# Altium PCB Xavier_NX_Carrier_Board_v1.1.PcbDoc (part 4 of 6)
Units mm, origin at the board's own origin, x right, y up, seen from the top; angles counter-clockwise.
Board outline 106.25 x 75.1 mm, 6 copper layers (TOP, L2_GND, L3_PWR, L4_SIG, L5_GND, BOTTOM), stack 0.881 mm thick; 282 components, 291 nets, 1670 pads, 857 vias.
Unrouted connection lines stored in the file: 3.
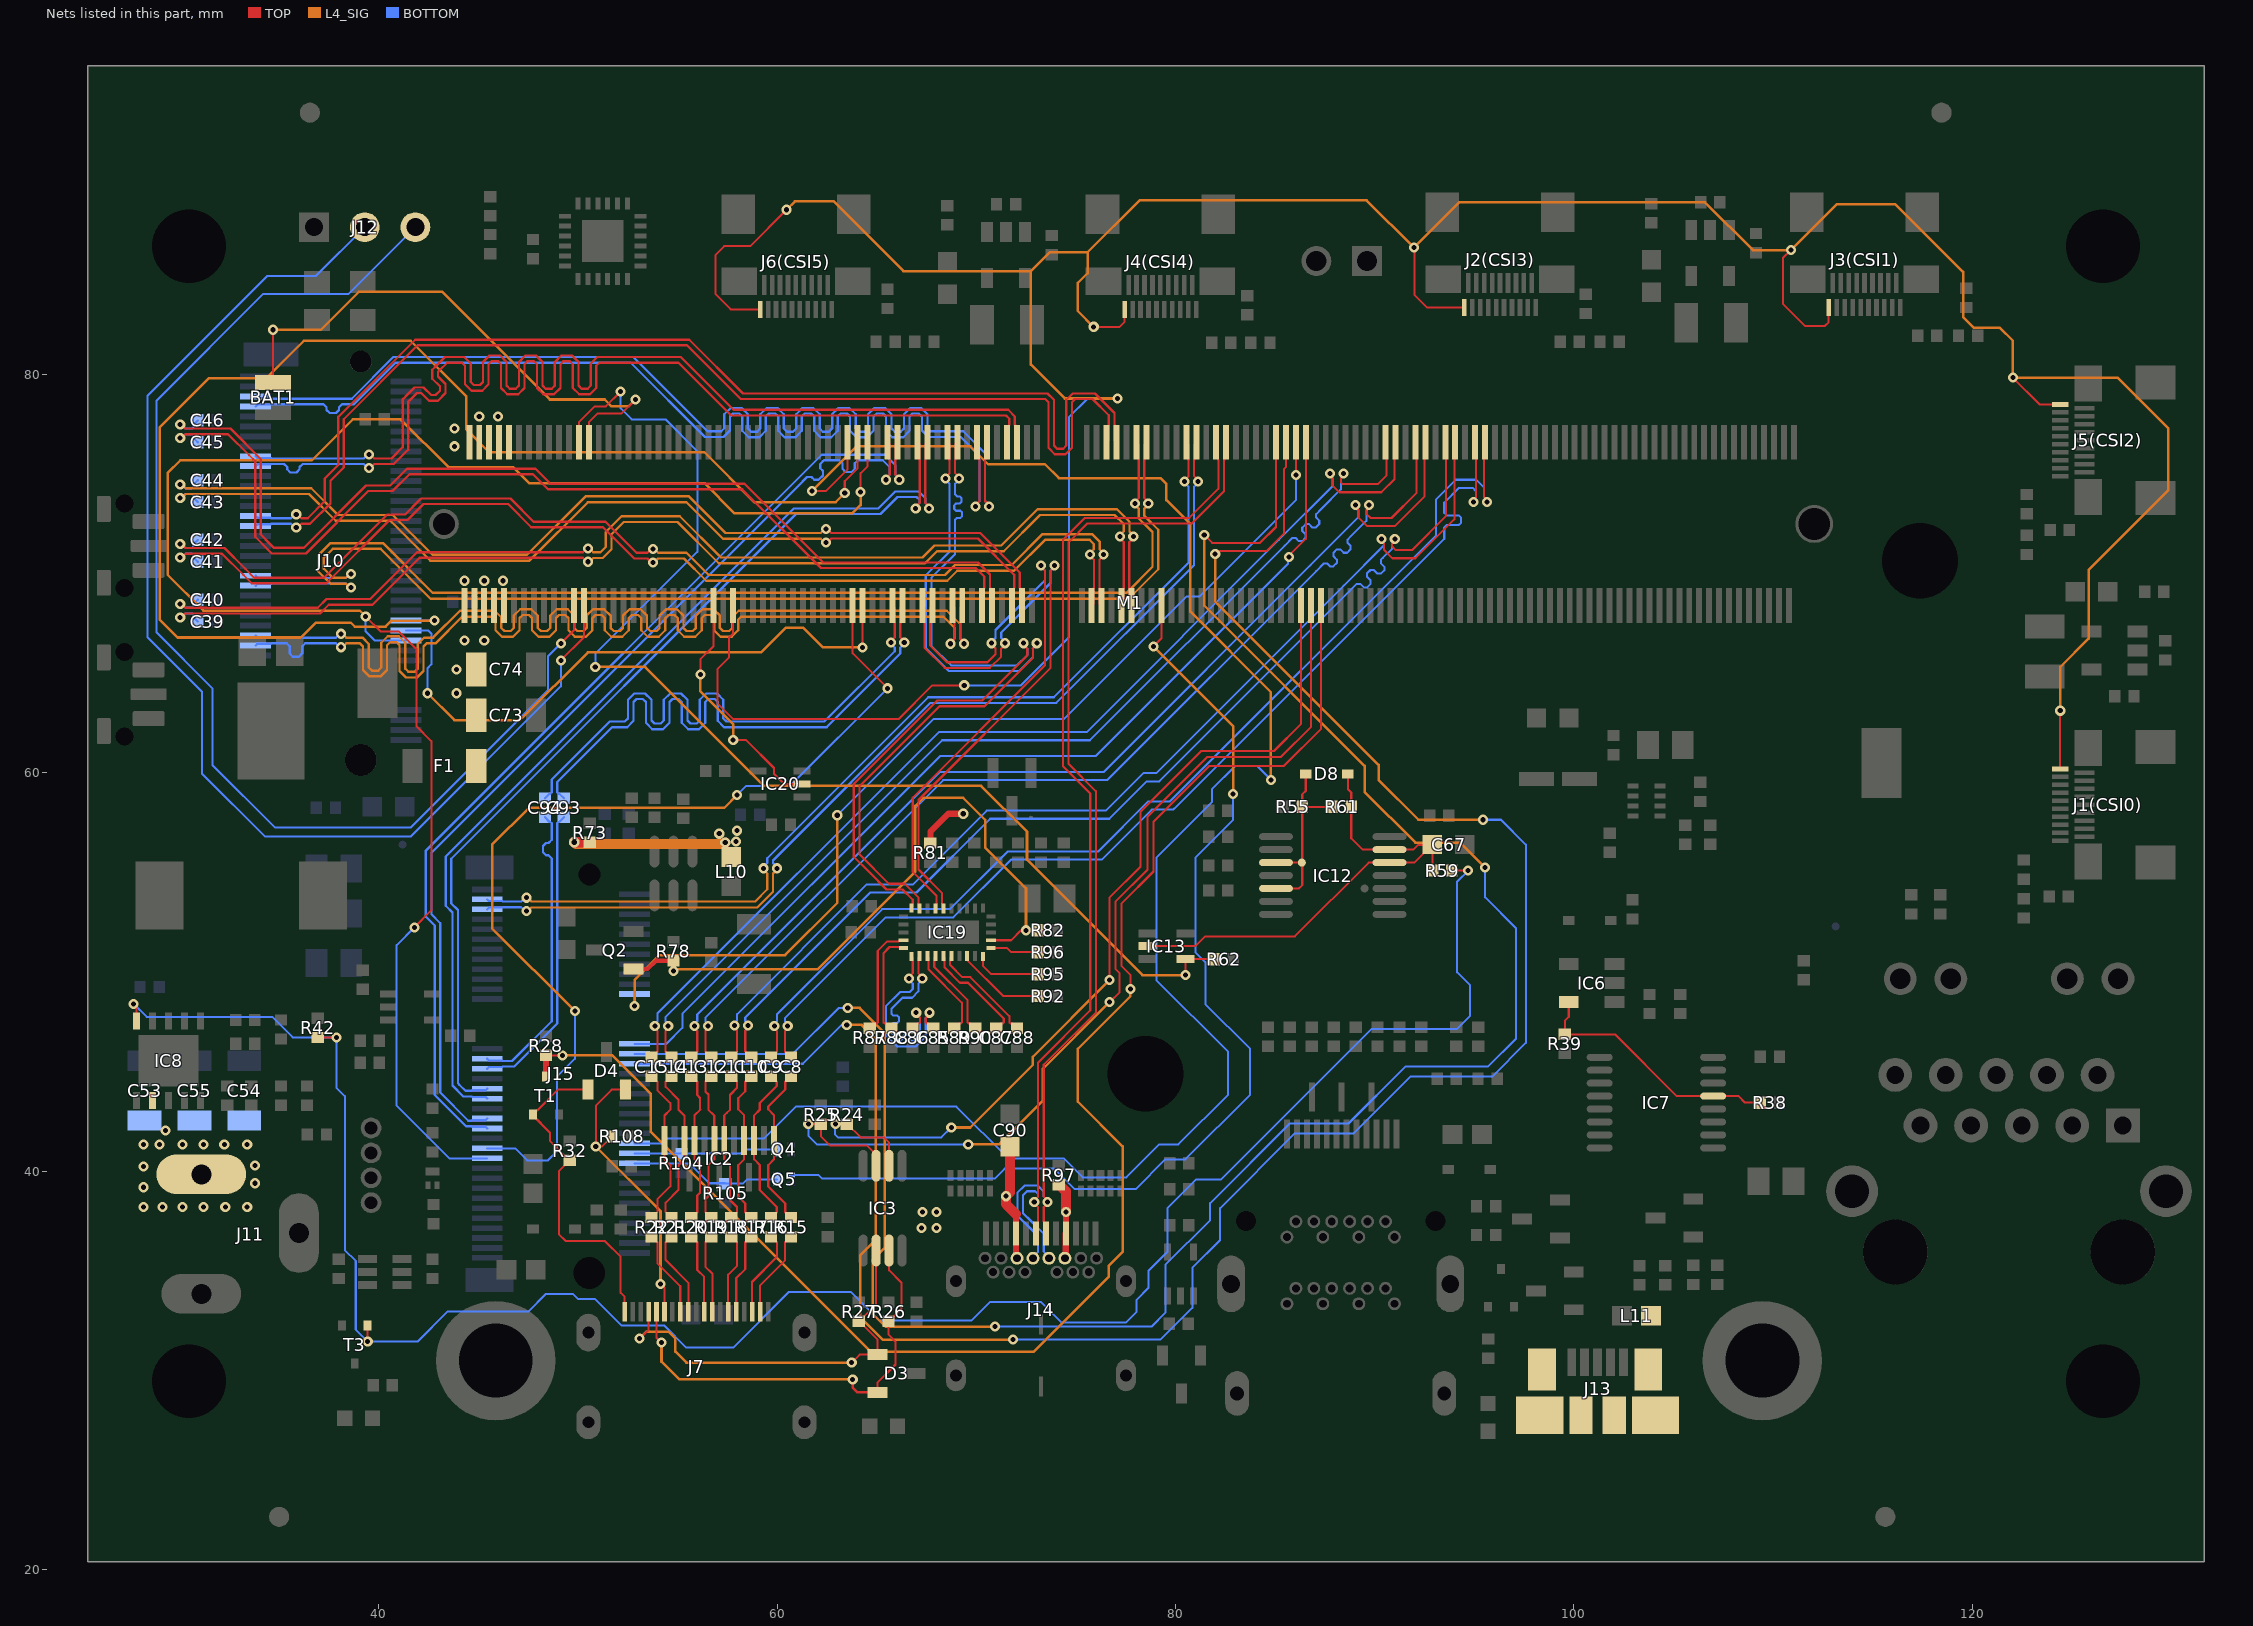
[diagram p8: the nets of this part, all layers, seen from the top]

## Via types
v1: diameter 0.508, hole 0.254, TOP to BOTTOM, 857 vias

## Nets (pads, with @x,y where several pads share a name; then routed paths per layer and width w, separated by ;. In a path a pad name is that pad's centre, name@x,y a point inside that pad or via, vN(x,y) a via of type N, cw(c..) or ccw(c..) an arc to the next point about the centre after c; other vN are vias at no path point) (continued)
PCIE0_CLK_N: J10.53 M1.160 | length 56.5
  TOP w0.114: M1.160@69.3,68.4 69.207,68.307 69.207,67.533 69.19,67.515 69.19,66.75 69.387,66.553 v1(69.387,66.486)
  L4_SIG w0.114: 68.516,68.14 69.194,67.462 69.194,66.75 69.387,66.557 v1(69.387,66.486)
  L4_SIG w0.117: v1(38.114,66.987) 38.186,66.987 38.378,66.795 38.8,66.795 39.182,66.795 39.507,66.469 39.507,65.293 39.664,65.137 39.976,65.137 40.132,65.293 40.132,66.534 40.458,66.859 41.01,66.859 41.336,66.534 41.336,65.239 41.492,65.083 41.805,65.083 41.961,65.239 41.961,66.469 42.287,66.795 42.55,66.795 42.735,66.795 44.08,68.14 44.756,68.14 45.833,68.14 46.159,67.814 46.159,67.28 46.315,67.124 46.628,67.124 46.784,67.28 46.784,67.898 47.11,68.224 47.662,68.224 47.988,67.898 47.988,67.28 48.144,67.124 48.456,67.124 48.613,67.28 48.613,67.898 48.938,68.224 49.491,68.224 49.816,67.898 49.816,67.28 49.973,67.124 50.285,67.124 50.441,67.28 50.441,67.898 50.767,68.224 51.319,68.224 51.645,67.898 51.645,67.28 51.801,67.124 52.114,67.124 52.27,67.28 52.27,67.898 52.596,68.224 53.148,68.224 53.474,67.898 53.474,67.28 53.63,67.124 53.943,67.124 54.099,67.28 54.099,67.898 54.425,68.224 54.977,68.224 55.303,67.898 55.303,67.28 55.459,67.124 55.772,67.124 55.928,67.28 55.928,67.898 56.254,68.224 56.806,68.224 57.132,67.898 57.132,67.28 57.288,67.124 57.6,67.124 57.757,67.28 57.757,67.814 58.082,68.14 58.346,68.14 68.516,68.14
  BOTTOM w0.114: J10.53@33.825,66.9 33.918,66.807 34.592,66.807 34.61,66.79 37.85,66.79 38.047,66.987 v1(38.114,66.987)
PCIE0_CLK_P: J10.55 M1.162 | length 57
  TOP w0.114: v1(68.713,66.486) 68.713,66.553 68.91,66.75 68.91,67.515 68.893,67.533 68.893,68.307 M1.162@68.8,68.4
  L4_SIG w0.114: 68.35,67.85 68.906,67.294 68.906,66.75 68.713,66.557 v1(68.713,66.486)
  L4_SIG w0.117: v1(38.114,66.313) 38.186,66.313 38.378,66.505 38.8,66.505 39.062,66.505 39.218,66.349 39.218,65.173 39.544,64.847 40.096,64.847 40.422,65.173 40.422,66.414 40.578,66.57 40.89,66.57 41.047,66.414 41.047,65.119 41.372,64.793 41.925,64.793 42.251,65.119 42.251,66.349 42.407,66.505 42.55,66.505 42.855,66.505 44.2,67.85 44.756,67.85 45.713,67.85 45.869,67.694 45.869,67.16 46.195,66.834 46.747,66.834 47.073,67.16 47.073,67.778 47.229,67.934 47.542,67.934 47.698,67.778 47.698,67.16 48.024,66.834 48.576,66.834 48.902,67.16 48.902,67.778 49.058,67.934 49.371,67.934 49.527,67.778 49.527,67.16 49.853,66.834 50.405,66.834 50.731,67.16 50.731,67.778 50.887,67.934 51.2,67.934 51.356,67.778 51.356,67.16 51.682,66.834 52.234,66.834 52.56,67.16 52.56,67.778 52.716,67.934 53.028,67.934 53.185,67.778 53.185,67.16 53.51,66.834 54.063,66.834 54.388,67.16 54.388,67.778 54.545,67.934 54.857,67.934 55.013,67.778 55.013,67.16 55.339,66.834 55.891,66.834 56.217,67.16 56.217,67.778 56.373,67.934 56.686,67.934 56.842,67.778 56.842,67.16 57.168,66.834 57.72,66.834 58.046,67.16 58.046,67.694 58.202,67.85 58.346,67.85 68.35,67.85
  BOTTOM w0.114: J10.55@33.825,66.4 33.918,66.493 34.592,66.493 34.61,66.51 34.7,66.51 35.379,66.51 35.535,66.355 35.535,65.992 35.691,65.837 36.002,65.837 36.157,65.992 36.157,66.355 36.313,66.51 36.65,66.51 37.85,66.51 38.047,66.313 v1(38.114,66.313)
PCIE0_RX0_N: J10.41 M1.131 | length 57.7
  TOP w0.114: M1.131@78.55,76.6 78.457,76.507 78.457,75.733 78.44,75.715 78.44,73.8 78.637,73.603 v1(78.637,73.536)
  L4_SIG w0.117: v1(38.614,69.987) 38.542,69.987 38.35,69.795 37.705,69.795 37.25,70.25 37.25,70.8 37.7,71.25 40.1,71.25 42.6,68.75 77.659,68.75 79.14,70.23 79.14,72.21 78.445,72.905 78.445,73.272 78.637,73.464 v1(78.637,73.536)
  BOTTOM w0.114: J10.41@33.825,69.9 33.918,69.807 34.592,69.807 34.61,69.79 38.35,69.79 38.547,69.987 v1(38.614,69.987)
PCIE0_RX0_P: J10.43 M1.133 | length 58.2
  TOP w0.114: v1(77.963,73.536) 77.963,73.603 78.16,73.8 78.16,75.715 78.143,75.733 78.143,76.507 M1.133@78.05,76.6
  L4_SIG w0.117: v1(38.614,69.313) 38.542,69.313 38.35,69.505 37.585,69.505 36.96,70.13 36.96,70.92 37.58,71.54 40.22,71.54 42.72,69.04 77.54,69.04 78.85,70.35 78.85,72.091 78.155,72.785 78.155,73.272 77.963,73.464 v1(77.963,73.536)
  BOTTOM w0.114: J10.43@33.825,69.4 33.918,69.493 34.592,69.493 34.61,69.51 38.35,69.51 38.547,69.313 v1(38.614,69.313)
PCIE0_RX1_N: J10.29 M1.137 | length 57.1
  TOP w0.114: v1(35.864,72.987) 35.931,72.987 36.128,72.79 36.44,72.79 37.298,73.648 37.298,74.788 37.966,75.456 37.966,77.761 37.966,77.877 41.837,81.748 55.597,81.748 58.295,79.05 72.75,79.05 73.584,79.05 73.904,78.731 73.904,76.437 74.059,76.281 74.37,76.281 74.526,76.437 74.526,78.731 74.845,79.05 75.1,79.05 75.961,79.05 76.94,78.071 76.94,77.485 76.957,77.467 76.957,76.693 M1.137@77.05,76.6
  BOTTOM w0.114: J10.29@33.825,72.9 33.918,72.807 34.592,72.807 34.61,72.79 35.6,72.79 35.797,72.987 v1(35.864,72.987)
PCIE0_RX1_P: J10.31 M1.139 | length 56.7
  TOP w0.114: v1(35.864,72.313) 35.931,72.313 36.128,72.51 36.555,72.51 37.577,73.532 37.577,74.672 38.246,75.34 38.246,77.761 41.953,81.468 55.482,81.468 58.179,78.771 72.75,78.771 73.469,78.771 73.624,78.615 73.624,76.321 73.944,76.002 74.486,76.002 74.805,76.321 74.805,78.615 74.961,78.771 75.1,78.771 75.845,78.771 76.66,77.955 76.66,77.485 76.643,77.467 76.643,76.693 M1.139@76.55,76.6
  BOTTOM w0.114: J10.31@33.825,72.4 33.918,72.493 34.592,72.493 34.61,72.51 35.6,72.51 35.797,72.313 v1(35.864,72.313)
PCIE0_RX2_N: J10.17 M1.149 | length 56.5
  TOP w0.114: v1(39.514,75.987) 39.581,75.987 39.778,75.79 40.645,75.79 41.202,76.348 41.202,78.743 41.35,78.891 41.35,78.9 41.803,79.353 42.255,79.353 42.637,78.971 42.857,78.971 43.077,79.191 43.077,79.411 42.695,79.794 42.695,80.245 42.875,80.425 43.329,80.879 43.652,80.879 44.299,80.879 44.618,80.56 44.618,79.63 44.774,79.474 45.085,79.474 45.24,79.63 45.24,80.636 45.56,80.955 46.102,80.955 46.422,80.636 46.422,79.449 46.577,79.293 46.888,79.293 47.044,79.449 47.044,80.636 47.363,80.955 47.906,80.955 48.225,80.636 48.225,79.449 48.38,79.293 48.692,79.293 48.847,79.449 48.847,80.636 49.166,80.955 49.709,80.955 50.028,80.636 50.028,79.449 50.184,79.293 50.495,79.293 50.651,79.449 50.651,80.56 50.97,80.879 51.225,80.879 55.171,80.879 57.819,78.231 71.609,78.231 71.94,77.9 71.94,77.485 71.957,77.467 71.957,76.693 M1.149@72.05,76.6
  BOTTOM w0.114: J10.17@33.825,75.9 33.918,75.807 34.592,75.807 34.61,75.79 39.25,75.79 39.447,75.987 v1(39.514,75.987)
PCIE0_RX2_P: J10.19 M1.151 | length 56.5
  TOP w0.114: v1(39.514,75.313) 39.581,75.313 39.778,75.51 40.76,75.51 41.4,76.15 41.482,76.232 41.482,78.637 41.547,78.703 41.919,79.074 42.139,79.074 42.522,78.691 42.973,78.691 43.357,79.075 43.357,79.527 42.974,79.909 42.974,80.129 43.072,80.228 43.445,80.6 43.652,80.6 44.183,80.6 44.339,80.444 44.339,79.514 44.658,79.195 45.201,79.195 45.52,79.514 45.52,80.52 45.675,80.676 45.987,80.676 46.142,80.52 46.142,79.333 46.461,79.014 47.004,79.014 47.323,79.333 47.323,80.52 47.479,80.676 47.79,80.676 47.946,80.52 47.946,79.333 48.265,79.014 48.807,79.014 49.127,79.333 49.127,80.52 49.282,80.676 49.593,80.676 49.749,80.52 49.749,79.333 50.068,79.014 50.611,79.014 50.93,79.333 50.93,80.444 51.086,80.6 51.225,80.6 55.055,80.6 57.703,77.952 71.493,77.952 71.66,77.784 71.66,77.485 71.643,77.467 71.643,76.693 M1.151@71.55,76.6
  BOTTOM w0.114: J10.19@33.825,75.4 33.918,75.493 34.57,75.493 34.592,75.493 34.61,75.51 35.249,75.51 35.405,75.355 35.405,75.245 35.56,75.089 35.872,75.089 36.027,75.245 36.027,75.355 36.183,75.51 36.62,75.51 39.25,75.51 39.447,75.313 v1(39.514,75.313)
PCIE0_RX3_N: J10.5 M1.155 | length 56.5
  TOP w0.114: M1.155@70.55,76.6 70.457,76.507 70.457,75.733 70.44,75.715 70.44,73.65 70.637,73.453 v1(70.637,73.386)
  BOTTOM w0.114: J10.5@33.825,78.9 33.918,78.807 34.592,78.807 34.61,78.79 38.645,78.79 40.734,80.879 52.776,80.879 56.505,77.15 57.061,77.15 57.2,77.15 57.356,77.306 57.356,78.008 57.675,78.327 58.218,78.327 58.537,78.008 58.537,77.291 58.693,77.136 59.004,77.136 59.159,77.291 59.159,78.008 59.479,78.327 60.021,78.327 60.341,78.008 60.341,77.291 60.496,77.136 60.807,77.136 60.963,77.291 60.963,78.008 61.282,78.327 61.825,78.327 62.144,78.008 62.144,77.291 62.3,77.136 62.611,77.136 62.766,77.291 62.766,78.008 63.085,78.327 63.628,78.327 63.947,78.008 63.947,77.291 64.103,77.136 64.414,77.136 64.57,77.291 64.57,78.008 64.889,78.327 65.431,78.327 65.751,78.008 65.751,77.291 65.906,77.136 66.217,77.136 66.373,77.291 66.373,78.008 66.692,78.327 67.235,78.327 67.554,78.008 67.554,77.306 67.71,77.15 68.634,77.15 69.345,77.15 70.44,76.055 70.44,73.65 70.637,73.453 v1(70.637,73.386)
PCIE0_RX3_P: J10.7 M1.157 | length 56.6
  TOP w0.114: v1(69.963,73.386) 69.963,73.453 70.16,73.65 70.16,75.715 70.143,75.733 70.143,76.507 M1.157@70.05,76.6
  BOTTOM w0.114: J10.7@33.825,78.4 33.918,78.493 34.592,78.493 34.61,78.51 36.55,78.51 37.229,78.51 37.385,78.355 37.385,78.223 37.541,78.067 37.852,78.067 38.007,78.223 38.007,78.355 38.163,78.51 38.645,78.51 38.76,78.51 40.85,80.6 52.66,80.6 56.39,76.871 57.061,76.871 57.316,76.871 57.635,77.19 57.635,77.892 57.791,78.048 58.102,78.048 58.258,77.892 58.258,77.176 58.577,76.856 59.12,76.856 59.439,77.176 59.439,77.892 59.594,78.048 59.906,78.048 60.061,77.892 60.061,77.176 60.38,76.856 60.923,76.856 61.242,77.176 61.242,77.892 61.398,78.048 61.709,78.048 61.865,77.892 61.865,77.176 62.184,76.856 62.726,76.856 63.046,77.176 63.046,77.892 63.201,78.048 63.512,78.048 63.668,77.892 63.668,77.176 63.987,76.856 64.53,76.856 64.849,77.176 64.849,77.892 65.005,78.048 65.316,78.048 65.471,77.892 65.471,77.176 65.791,76.856 66.333,76.856 66.652,77.176 66.652,77.892 66.808,78.048 67.119,78.048 67.275,77.892 67.275,77.19 67.594,76.871 68.634,76.871 69.229,76.871 70.16,75.94 70.16,73.65 69.963,73.453 v1(69.963,73.386)
PCIE0_TX0_N: C40.2 M1.134 | length 58
  TOP w0.114: v1(30.036,68.487) 30.103,68.487 30.3,68.29 36.945,68.29 37.384,68.729 39.579,68.729 41.929,71.079 50.25,71.079 50.447,71.276 v1(50.514,71.276) ; M1.134@77.8,68.4 77.707,68.493 77.707,69.267 77.69,69.285 77.69,71.6 77.887,71.797 v1(77.887,71.864)
  L4_SIG w0.117: v1(50.514,71.276) 50.586,71.276 50.778,71.084 51.134,71.084 51.4,71.35 51.4,72.1 52.19,72.89 55.12,72.89 57.191,70.818 67.31,70.818 67.91,71.418 71.26,71.418 73.081,73.24 77.07,73.24 77.695,72.615 77.695,72.128 77.887,71.936 v1(77.887,71.864)
  BOTTOM w0.114: v1(30.036,68.487) 30.103,68.487 30.3,68.29 30.625,68.29 30.692,68.357 30.692,68.472 C40.2@30.92,68.7
PCIE0_TX0_P: C39.2 M1.136 | length 57.5
  TOP w0.114: v1(30.036,67.813) 30.103,67.813 30.3,68.01 37.06,68.01 37.5,68.45 39.695,68.45 42.045,70.8 50.25,70.8 50.447,70.603 v1(50.514,70.603) ; v1(77.213,71.864) 77.213,71.797 77.41,71.6 77.41,69.285 77.393,69.267 77.393,68.493 M1.136@77.3,68.4
  L4_SIG w0.117: v1(50.514,70.603) 50.586,70.603 50.778,70.795 51.254,70.795 51.69,71.23 51.69,71.98 52.309,72.6 55,72.6 57.071,70.529 67.429,70.529 68.029,71.129 71.379,71.129 73.201,72.95 76.95,72.95 77.405,72.495 77.405,72.128 77.213,71.936 v1(77.213,71.864)
  BOTTOM w0.114: v1(30.036,67.813) 30.103,67.813 30.3,68.01 30.625,68.01 30.692,67.943 30.692,67.828 C39.2@30.92,67.6
PCIE0_TX1_N: C42.2 M1.140 | length 55.9
  TOP w0.114: v1(30.036,71.487) 30.103,71.487 30.3,71.29 32.255,71.29 33.298,70.248 33.745,69.8 37.255,69.8 40.434,72.979 41.334,72.979 42.052,73.698 42.134,73.779 46.616,73.779 47.779,72.616 51.379,72.616 ; 51.382,72.618 52.95,71.05 53.5,71.05 53.697,71.247 v1(53.764,71.247) ; M1.140@76.3,68.4 76.207,68.493 76.207,69.267 76.19,69.285 76.19,70.7 76.387,70.897 v1(76.387,70.964)
  L4_SIG w0.117: v1(53.764,71.247) 53.836,71.247 54.028,71.055 55.454,71.055 56.57,69.939 68.43,69.939 68.93,70.44 71.78,70.44 73.33,71.99 75.82,71.99 76.195,71.615 76.195,71.228 76.387,71.036 v1(76.387,70.964)
  BOTTOM w0.114: v1(30.036,71.487) 30.103,71.487 30.3,71.29 30.625,71.29 30.692,71.357 30.692,71.472 C42.2@30.92,71.7
PCIE0_TX1_P: C41.2 M1.142 | length 55.4
  TOP w0.114: v1(30.036,70.813) 30.103,70.813 30.3,71.01 32.14,71.01 33.199,69.951 33.629,69.521 37.371,69.521 40.55,72.7 41.45,72.7 42.25,73.5 46.5,73.5 47.664,72.336 51.263,72.336 52.833,70.767 53.5,70.767 53.693,70.574 v1(53.764,70.574) ; v1(75.713,70.964) 75.713,70.897 75.91,70.7 75.91,69.285 75.893,69.267 75.893,68.493 M1.142@75.8,68.4
  L4_SIG w0.117: v1(53.764,70.574) 53.836,70.574 54.028,70.766 55.334,70.766 56.45,69.65 68.55,69.65 69.05,70.15 71.9,70.15 73.45,71.7 75.7,71.7 75.905,71.495 75.905,71.228 75.713,71.036 v1(75.713,70.964)
  BOTTOM w0.114: v1(30.036,70.813) 30.103,70.813 30.3,71.01 30.625,71.01 30.692,70.943 30.692,70.828 C41.2@30.92,70.6
PCIE0_TX2_N: C44.2 M1.148 | length 49.5
  TOP w0.114: v1(62.464,72.242) 62.531,72.242 62.728,72.045 70.205,72.045 72.19,70.06 72.19,69.285 72.207,69.267 72.207,68.493 M1.148@72.3,68.4
  L4_SIG w0.117: v1(30.036,74.487) 30.108,74.487 30.3,74.295 36.618,74.295 37.963,72.95 40.709,72.95 42.709,70.95 47.45,70.95 50.385,73.885 55.575,73.885 57.409,72.05 62.2,72.05 62.392,72.242 v1(62.464,72.242)
  BOTTOM w0.114: v1(30.036,74.487) 30.103,74.487 30.3,74.29 30.625,74.29 30.692,74.357 30.692,74.472 C44.2@30.92,74.7
PCIE0_TX2_P: C43.2 M1.150 | length 49
  TOP w0.114: v1(62.464,71.569) 62.531,71.569 62.728,71.766 70.089,71.766 71.91,69.945 71.91,69.285 71.893,69.267 71.893,68.493 M1.150@71.8,68.4
  L4_SIG w0.117: v1(30.036,73.813) 30.108,73.813 30.3,74.005 36.498,74.005 37.843,72.66 40.59,72.66 42.59,70.66 47.57,70.66 50.505,73.595 55.455,73.595 57.29,71.76 62.2,71.76 62.392,71.569 v1(62.464,71.569)
  BOTTOM w0.114: v1(30.036,73.813) 30.103,73.813 30.3,74.01 30.625,74.01 30.692,73.943 30.692,73.828 C43.2@30.92,73.6
PCIE0_TX3_N: C46.2 M1.154 | length 52.1
  TOP w0.114: v1(30.036,77.487) 30.103,77.487 30.3,77.29 32.555,77.29 34.079,75.766 34.079,71.971 34.55,71.5 34.75,71.3 36.238,71.3 39.367,74.429 40.579,74.429 41.429,75.279 47.866,75.279 48.629,74.516 58.37,74.516 62.322,70.564 70.09,70.564 70.69,69.964 70.69,69.285 70.707,69.267 70.707,68.493 M1.154@70.8,68.4
  BOTTOM w0.114: v1(30.036,77.487) 30.103,77.487 30.3,77.29 30.625,77.29 30.692,77.357 30.692,77.472 C46.2@30.92,77.7
PCIE0_TX3_P: C45.2 M1.156 | length 51.6
  TOP w0.114: v1(30.036,76.813) 30.103,76.813 30.3,77.01 32.44,77.01 33.5,75.95 33.698,75.752 33.8,75.65 33.8,71.855 34.471,71.184 34.634,71.021 36.353,71.021 39.483,74.15 40.695,74.15 41.545,75 47.75,75 48.513,74.237 58.254,74.237 62.207,70.284 69.975,70.284 70.41,69.848 70.41,69.285 70.393,69.267 70.393,68.493 M1.156@70.3,68.4
  BOTTOM w0.114: v1(30.036,76.813) 30.103,76.813 30.3,77.01 30.625,77.01 30.692,76.943 30.692,76.828 C45.2@30.92,76.6
PCIE1_CLKREQ: J15.53 M1.182 | length 49.4
  TOP w0.102: M1.182@63.8,68.4 63.8,66 v1(65.55,64.25)
  L4_SIG w0.127: v1(49.85,48.05) 45.7,52.2 45.7,56.4 47.55,58.25 57.35,58.25 v1(58,58.9)
  BOTTOM w0.102: J15.53@45.45,41.15 46.85,41.15 47.45,40.55 48.5,40.55 48.95,41 48.95,44.75 49.85,45.65 v1(49.85,48.05) ; v1(58,58.9) 58.45,59.35 60.65,59.35 v1(65.55,64.25)
PCIE1_M2_TX0_N: C93.1 J15.37 | length 15
  BOTTOM w0.114: J15.37@45.45,45.15 45.533,45.233 46.207,45.233 46.235,45.26 46.805,45.26 48.965,47.42 48.965,57.475 49.032,57.542 49.072,57.542 C93.1@49.3,57.77
PCIE1_M2_TX0_P: C94.1 J15.35 | length 15
  BOTTOM w0.114: J15.35@45.45,45.65 45.533,45.567 46.207,45.567 46.235,45.54 46.69,45.54 48.685,47.535 48.685,55.65 48.685,55.707 48.53,55.863 48.406,55.863 48.251,56.018 48.251,56.329 48.406,56.485 48.53,56.485 48.685,56.641 48.685,57 48.685,57.475 48.618,57.542 48.578,57.542 C94.1@48.35,57.77
PCIE1_RST: J15.52 M1.183 | length 95.6
  TOP w0.102: v1(61.75,74.15) 62.45,74.15 63.55,75.25 M1.183@63.55,76.6
  L4_SIG w0.127: v1(61.75,74.15) 64,76.4 69.7,76.4 70.6,75.5 73.45,75.5 74.15,74.8 79.25,74.8 79.55,74.5 79.55,73.7 80.75,72.5 80.75,68.1 84.8,64.05 v1(84.8,59.65)
  BOTTOM w0.102: J15.52@52.85,41.4 54.2,41.4 54.45,41.65 59.35,41.65 60.95,43.25 69,43.25 71.6,40.65 74.4,40.65 75.35,39.7 77.534,39.7 79.184,41.35 80.15,41.35 82.65,43.85 82.65,46 79.05,49.6 79.05,55.75 81.85,58.55 81.85,59.2 83,60.35 84.1,60.35 v1(84.8,59.65)
PCIE_CLK_N: J15.49 M1.173 | length 50.6
  TOP w0.114: M1.173@66.05,76.6 65.957,76.507 65.957,75.733 65.94,75.715 65.94,74.983 66.137,74.786 v1(66.137,74.719)
  BOTTOM w0.114: J15.49@45.45,42.15 45.367,42.233 44.693,42.233 44.665,42.26 44.388,42.26 42.811,43.837 42.811,52.344 42.371,52.784 42.371,56.11 62.24,75.979 65.425,75.979 65.94,75.465 65.94,74.983 66.137,74.786 v1(66.137,74.719)
PCIE_CLK_P: J15.47 M1.175 | length 50.7
  TOP w0.114: v1(65.463,74.719) 65.463,74.786 65.66,74.983 65.66,75.715 65.643,75.733 65.643,76.507 M1.175@65.55,76.6
  BOTTOM w0.114: J15.47@45.45,42.65 45.367,42.567 44.693,42.567 44.665,42.54 44.504,42.54 43.091,43.953 43.091,52.459 42.65,52.9 42.65,55.995 61.028,74.372 61.508,74.853 61.728,74.853 61.866,74.715 62.086,74.715 62.306,74.935 62.306,75.155 62.168,75.293 62.168,75.513 62.303,75.647 62.355,75.7 62.45,75.7 63.129,75.7 63.285,75.544 63.285,75.267 63.441,75.112 63.752,75.112 63.907,75.267 63.907,75.544 64.063,75.7 64.15,75.7 65.309,75.7 65.66,75.349 65.66,74.983 65.463,74.786 v1(65.463,74.719)
PCIE_RX0_N: J15.43 M1.167 | length 49.6
  TOP w0.114: M1.167@67.55,76.6 67.457,76.507 67.457,75.733 67.44,75.715 67.44,73.55 67.637,73.353 v1(67.637,73.286)
  BOTTOM w0.114: J15.43@45.45,43.65 45.367,43.733 44.693,43.733 44.665,43.76 44.245,43.76 43.702,44.302 43.702,52.998 43.371,53.329 43.371,55.81 60.84,73.279 65.084,73.279 65.934,74.129 67.116,74.129 67.44,73.805 67.44,73.55 v1@67.589,73.4 ; v1@67.589,73.4 cw(c67.475,73.286) v1(67.637,73.286) 67.637,73.353 v1@67.589,73.4
PCIE_RX0_P: J15.41 M1.169 | length 48.1
  TOP w0.114: v1(66.963,73.286) 66.963,73.353 67.16,73.55 67.16,75.715 67.143,75.733 67.143,76.507 M1.169@67.05,76.6
  BOTTOM w0.114: J15.41@45.45,44.15 45.367,44.067 44.693,44.067 44.665,44.04 44.36,44.04 44.05,44.35 43.982,44.418 43.982,53.113 43.65,53.445 43.65,55.695 60.955,73 65.2,73 66.05,73.85 67,73.85 67.16,73.69 67.16,73.55 66.963,73.353 v1(66.963,73.286)
PCIE_TX0_N: C93.2 M1.172 | length 30.7
  TOP w0.114: M1.172@66.3,68.4 66.207,68.307 66.207,67.533 66.19,67.515 66.19,66.811 66.387,66.614 v1(66.387,66.547)
  BOTTOM w0.114: C93.2@49.3,58.73 49.072,58.958 49.032,58.958 48.965,59.025 48.965,59.186 48.965,59.55 51.715,62.3 52.221,62.3 52.476,62.3 52.795,62.619 52.795,63.557 52.95,63.713 53.262,63.713 53.417,63.557 53.417,62.518 53.736,62.198 54.279,62.198 54.598,62.518 54.598,63.557 54.754,63.713 55.065,63.713 55.221,63.557 55.221,62.518 55.54,62.198 56.082,62.198 56.402,62.518 56.402,63.557 56.557,63.713 56.868,63.713 57.024,63.557 57.024,62.619 57.343,62.3 58.52,62.3 62.49,62.3 66.19,66 66.19,66.283 66.387,66.48 v1(66.387,66.547)
PCIE_TX0_P: C94.2 M1.174 | length 30.7
  TOP w0.114: v1(65.713,66.547) 65.713,66.614 65.91,66.811 65.91,67.515 65.893,67.533 65.893,68.307 M1.174@65.8,68.4
  BOTTOM w0.114: C94.2@48.35,58.73 48.578,58.958 48.618,58.958 48.685,59.025 48.685,59.302 48.685,59.666 51.599,62.579 52.221,62.579 52.36,62.579 52.516,62.735 52.516,63.673 52.835,63.992 53.377,63.992 53.697,63.673 53.697,62.633 53.852,62.478 54.163,62.478 54.319,62.633 54.319,63.673 54.638,63.992 55.181,63.992 55.5,63.673 55.5,62.633 55.656,62.478 55.967,62.478 56.122,62.633 56.122,63.673 56.442,63.992 56.984,63.992 57.303,63.673 57.303,62.735 57.459,62.579 58.52,62.579 62.374,62.579 65.91,66.116 65.91,66.283 65.713,66.48 v1(65.713,66.547)
PCIE_WAKE: J10.54 J15.55 M1.179 | length 93
  TOP w0.102: v1(39.35,67.85) 40.1,67.1 41,67.1 41.9,66.2 41.9,62.35 42.65,61.6 42.65,53.1 v1(41.8,52.25) ; v1(64.2,74.1) 64.2,75.05 64.55,75.4 M1.179@64.55,76.6
  L4_SIG w0.127: v1(39.35,67.85) 39.05,68.15 31.2,68.15 29.4,69.95 29.4,75.05 30.05,75.7 36.65,75.7 38.7,77.75 41.1,77.75 43.5,75.35 46.75,75.35 47.55,74.55 56.35,74.55 57.85,73.05 63.8,73.05 64.2,73.45 v1(64.2,74.1)